# KiCad board lars2.kicad_pcb
title: LARS V2; date: 2024-05-14; rev: 2; note: https://git.xythobuz.de/thomas/drumkit; note: Licensed under the CERN-OHL-S-2.0+; note: Copyright (c) 2024 Thomas Buck, Kauzerei
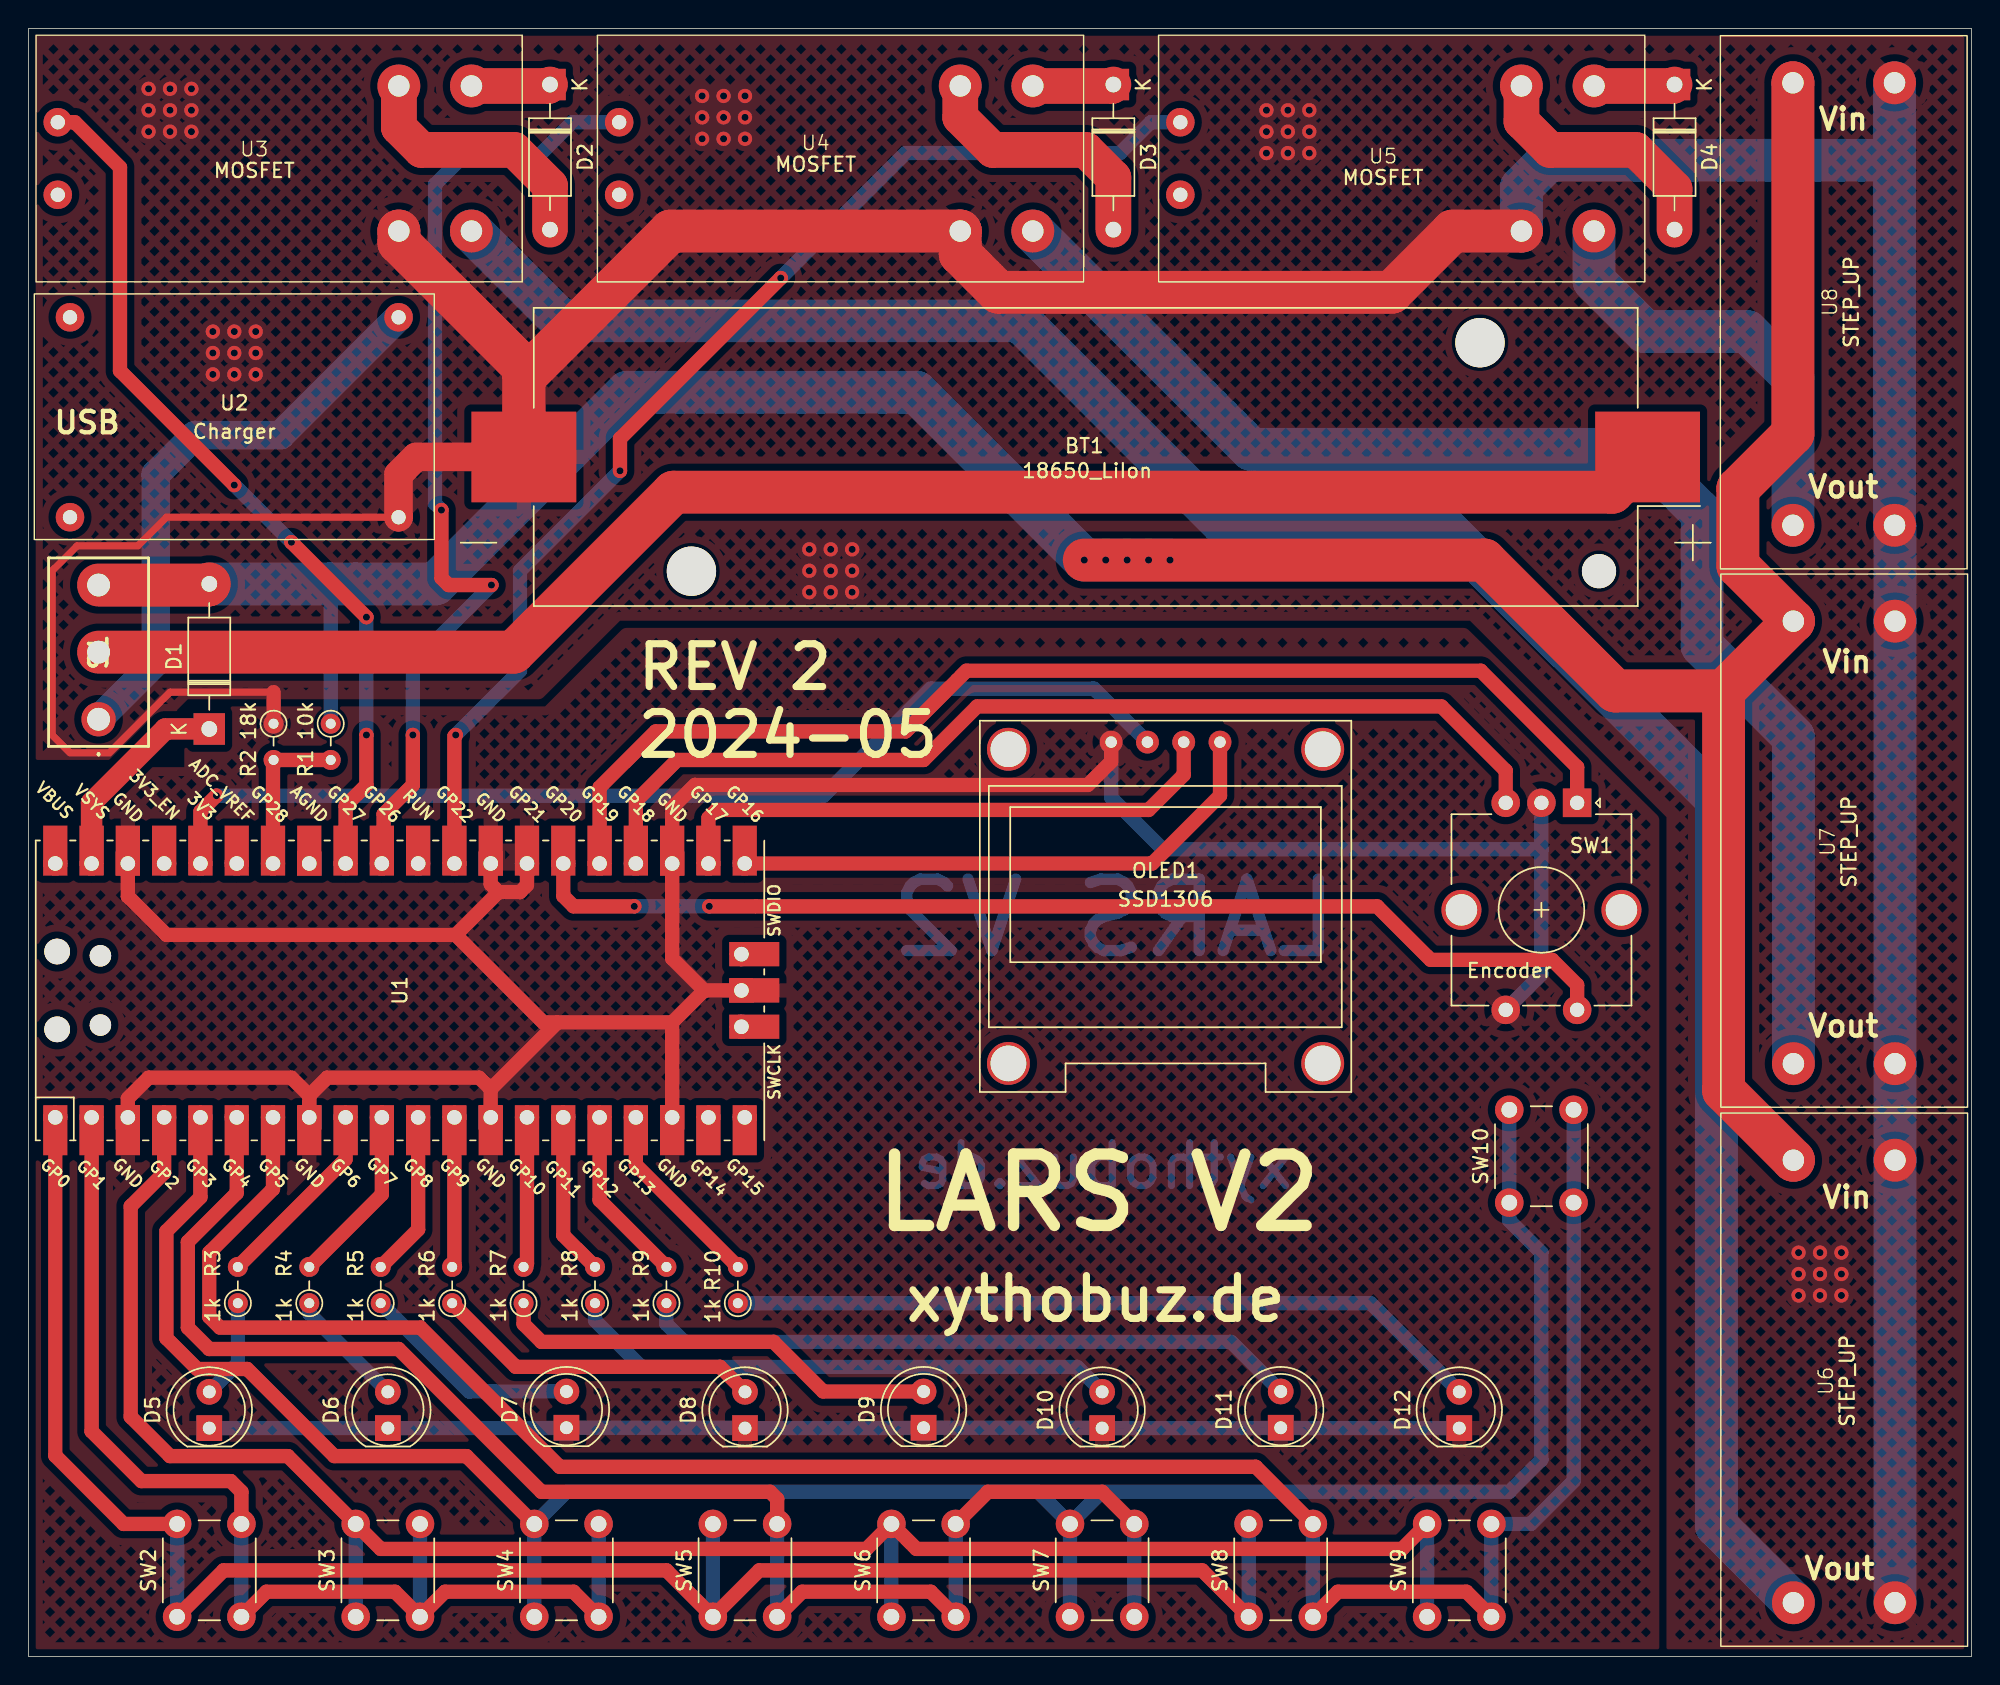
[diagram p0: board, top side]
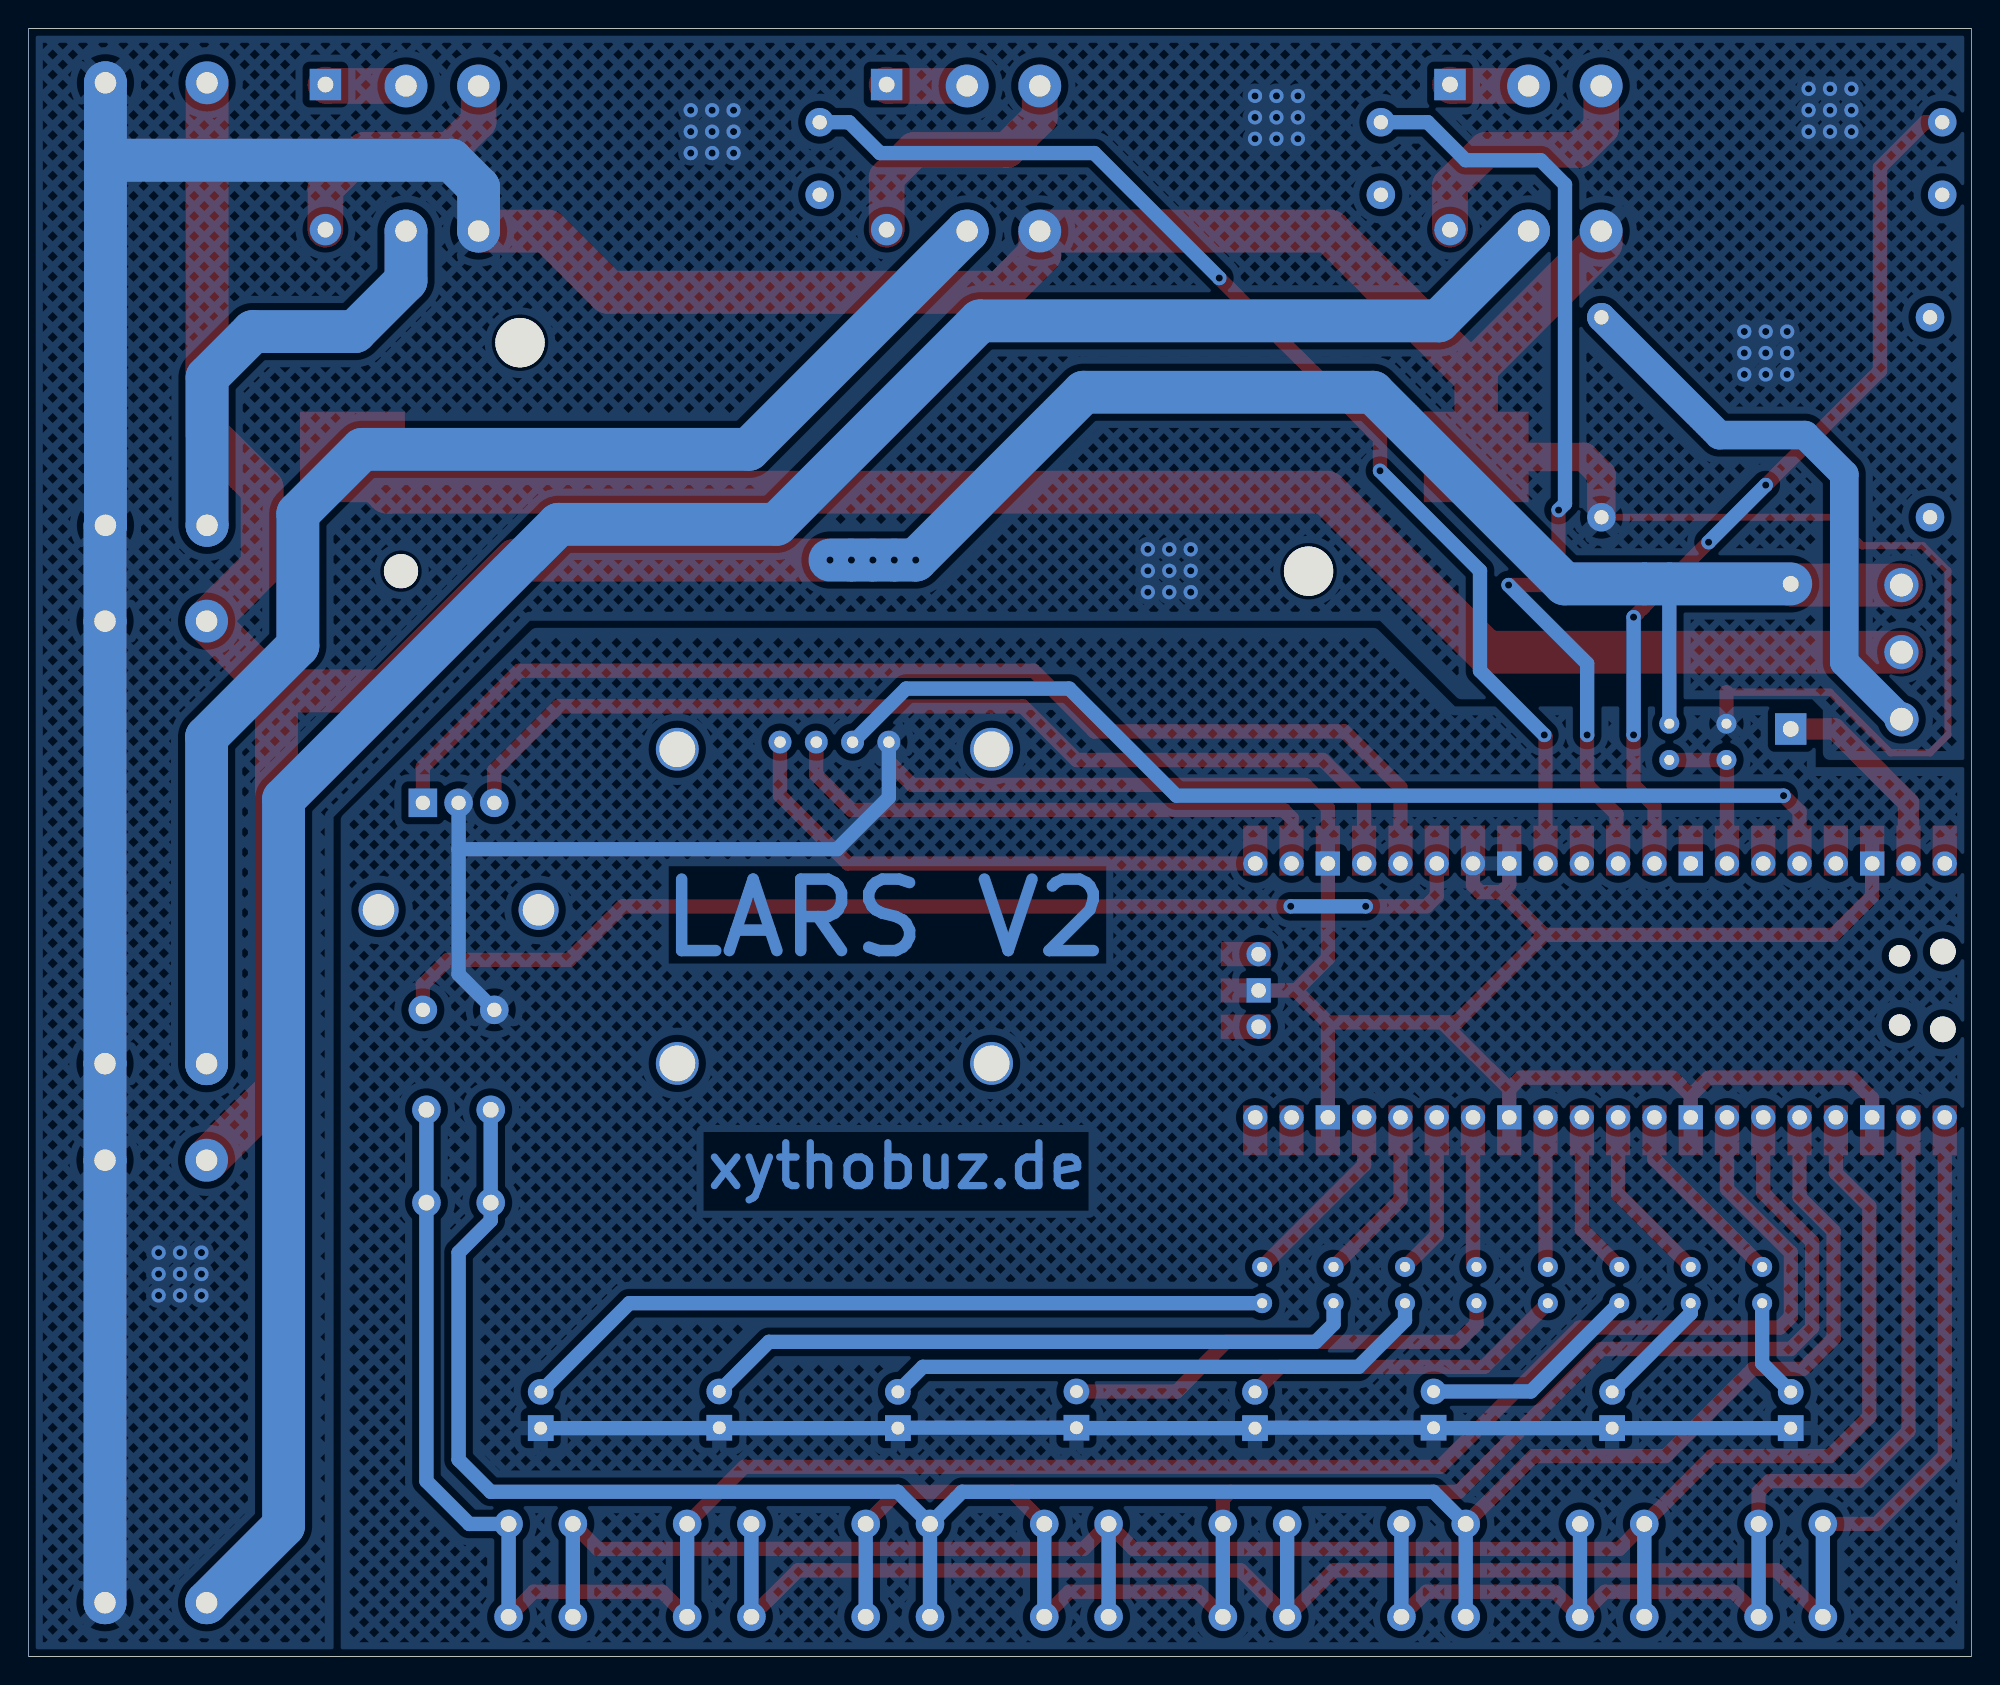
[diagram p1: board, bottom side, seen from below]

Outline 136 x 114 mm; copper layers: Top, Bottom. Coordinates in mm from the lower left corner of the outline.
Outline path: rectangle 0,114 136,0

## Placement (name value [footprint] x y rotation side)
BT1  18650_LiIon  [BatteryHolder_Keystone_1042_1x18650]  74 84 180 top
D1  1N5819  [D_DO-41_SOD81_P10.16mm_Horizontal]  12.65 64.95 90 top
D2  1N5819  [D_DO-41_SOD81_P10.16mm_Horizontal]  36.5 110.08 270 top
D3  1N5819  [D_DO-41_SOD81_P10.16mm_Horizontal]  75.94 110.08 270 top
D4  1N5819  [D_DO-41_SOD81_P10.16mm_Horizontal]  115.22 110.08 270 top
D5  LED  [LED_D5.0mm]  12.65 15.99 90 top
D6  LED  [LED_D5.0mm]  25.15 15.99 90 top
D7  LED  [LED_D5.0mm]  37.65 16.02 90 top
D8  LED  [LED_D5.0mm]  50.15 15.99 90 top
D9  LED  [LED_D5.0mm]  62.65 16.02 90 top
D10  LED  [LED_D5.0mm]  75.15 15.99 90 top
D11  LED  [LED_D5.0mm]  87.65 16.02 90 top
D12  LED  [LED_D5.0mm]  100.15 15.99 90 top
OLED1  SSD1306  [SSD1306_0.96_Oled]  66.59 39.53 0 top
R1  10k  [R_Axial_DIN0204_L3.6mm_D1.6mm_P2.54mm_Vertical]  21.15 65.32 270 top
R2  18k  [R_Axial_DIN0204_L3.6mm_D1.6mm_P2.54mm_Vertical]  17.15 65.32 270 top
R3  1k  [R_Axial_DIN0204_L3.6mm_D1.6mm_P2.54mm_Vertical]  14.65 24.74 90 top
R4  1k  [R_Axial_DIN0204_L3.6mm_D1.6mm_P2.54mm_Vertical]  19.65 24.74 90 top
R5  1k  [R_Axial_DIN0204_L3.6mm_D1.6mm_P2.54mm_Vertical]  24.65 24.74 90 top
R6  1k  [R_Axial_DIN0204_L3.6mm_D1.6mm_P2.54mm_Vertical]  29.65 24.74 90 top
R7  1k  [R_Axial_DIN0204_L3.6mm_D1.6mm_P2.54mm_Vertical]  34.65 24.74 90 top
R8  1k  [R_Axial_DIN0204_L3.6mm_D1.6mm_P2.54mm_Vertical]  39.65 24.74 90 top
R9  1k  [R_Axial_DIN0204_L3.6mm_D1.6mm_P2.54mm_Vertical]  44.65 24.74 90 top
R10  1k  [R_Axial_DIN0204_L3.6mm_D1.6mm_P2.54mm_Vertical]  49.65 24.74 90 top
S1  -  [5236AB]  4.9 65.63 90 top
SW1  Encoder  [RotaryEncoder_Alps_EC12E-Switch_Vertical_H20mm_CircularMountingHoles]  108.4 59.78 270 top
SW2  SW_Push  [SW_PUSH_6mm_H5mm]  10.4 2.78 90 top
SW3  SW_Push  [SW_PUSH_6mm_H5mm]  22.9 2.78 90 top
SW4  SW_Push  [SW_PUSH_6mm_H5mm]  35.4 2.78 90 top
SW5  SW_Push  [SW_PUSH_6mm_H5mm]  47.9 2.78 90 top
SW6  SW_Push  [SW_PUSH_6mm_H5mm]  60.4 2.78 90 top
SW7  SW_Push  [SW_PUSH_6mm_H5mm]  72.9 2.78 90 top
SW8  SW_Push  [SW_PUSH_6mm_H5mm]  85.4 2.78 90 top
SW9  SW_Push  [SW_PUSH_6mm_H5mm]  97.9 2.78 90 top
SW10  SW_Push  [SW_PUSH_6mm_H5mm]  103.65 31.78 90 top
U1  Pico  [RPi_Pico_SMD_TH]  26 46.64 90 top
U2  Charger  [charger]  14.4 86.78 0 top
U3  MOSFET  [xy-mos]  34.56 113.54 180 top
U4  MOSFET  [xy-mos]  73.85 113.54 180 top
U5  MOSFET  [xy-mos]  113.14 113.54 180 top
U6  STEP_UP  [dc-dc module]  125.57 22.05 270 top
U7  STEP_UP  [dc-dc module]  125.57 59.8 270 top
U8  STEP_UP  [dc-dc module]  125.54 97.5 270 top

## Library data of the parts
BT1 = -: Description: Single-cell battery
D1-D4 = -: Datasheet: http://www.vishay.com/docs/88525/1n5817.pdf; Description: 40V 1A Schottky Barrier Rectifier Diode, DO-41; ki_fp_filters: D*DO?41*
D5-D12 = -: Description: Light emitting diode; ki_fp_filters: LED* LED_SMD:* LED_THT:*
OLED1 = -: Description: OLED 0.96 128x64 I2C; ki_fp_filters: extern:SSD1306*
R1-R10 = -: Description: Resistor; ki_fp_filters: R_*
S1 = -: Datasheet: https://datasheet.datasheetarchive.com/originals/dk/DKDS-29/572872.pdf; Description: SWITCH TOGGLE SPDT 6A 125V; Height: 31.8; Manufacturer_Name: Apem
SW1 = -: Description: Rotary encoder, dual channel, incremental quadrate outputs, with switch; ki_fp_filters: RotaryEncoder*Switch*
SW2-SW10 = -: Description: Push button switch, generic, two pins

## Footprints (pads in the part's own frame, mm; a bottom-side part is the same pattern mirrored in y, then rotated)
5236AB
  round 2.4 hole 1.6: 1(0,0) 2(4.7,0) 3(9.4,0)
BatteryHolder_Keystone_1042_1x18650
  round 2.39 hole 2.39 unplated: (-35.93,8)
  round 3.45 hole 3.45 unplated: (-27.6,-8) (27.6,8)
  rect 7.34x6.35 smd: 1(-39.33,0) 2(39.33,0)
charger
  round 2 hole 1: 1(-11.5,7) 2(-11.5,-7) 3(11.5,7) 4(11.5,-7)
D_DO-41_SOD81_P10.16mm_Horizontal
  rect 2.2x2.2 hole 1.1: 1(0,0)
  oval 2.2x2.2 hole 1.1: 2(10.16,0)
dc-dc module
  round 3 hole 1.5: 1(-12.7,5.08) 2(-12.7,-2.032) 3(18.288,5.08) 4(18.288,-2.032)
LED_D5.0mm
  rect 1.8x1.8 hole 0.9: 1(0,0)
  round 1.8 hole 0.9: 2(2.54,0)
R_Axial_DIN0204_L3.6mm_D1.6mm_P2.54mm_Vertical
  round 1.4 hole 0.7: 1(0,0)
  oval 1.4x1.4 hole 0.7: 2(2.54,0)
RotaryEncoder_Alps_EC12E-Switch_Vertical_H20mm_CircularMountingHoles
  rect 2x2 hole 1: A(0,0)
  round 2 hole 1: B(0,-5) C(0,-2.5) S1(14.5,0) S2(14.5,-5)
  round 2.8 hole 2.2: MP(7.5,3.1) MP(7.5,-8.1)
RPi_Pico_SMD_TH
  oval 1.8x1.8 hole 1.8 unplated: (-2.725,24) (2.725,24)
  oval 1.5x1.5 hole 1.5 unplated: (-2.425,20.97) (2.425,20.97)
  oval 1.7x1.7 hole 1.02: 1(-8.89,24.13) 2(-8.89,21.59) 4(-8.89,16.51) 5(-8.89,13.97) 6(-8.89,11.43) 7(-8.89,8.89) 9(-8.89,3.81) 10(-8.89,1.27) 11(-8.89,-1.27) 12(-8.89,-3.81) 14(-8.89,-8.89) 15(-8.89,-11.43) 16(-8.89,-13.97) 17(-8.89,-16.51) 19(-8.89,-21.59) 20(-8.89,-24.13) 21(8.89,-24.13) 22(8.89,-21.59) 24(8.89,-16.51) 25(8.89,-13.97) 26(8.89,-11.43) 27(8.89,-8.89) 29(8.89,-3.81) 30(8.89,-1.27) 31(8.89,1.27) 32(8.89,3.81) 34(8.89,8.89) 35(8.89,11.43) 36(8.89,13.97) 37(8.89,16.51) 39(8.89,21.59) 40(8.89,24.13) 41(-2.54,-23.9) 43(2.54,-23.9)
  rect 3.5x1.7 smd: 1(-8.89,24.13) 2(-8.89,21.59) 3(-8.89,19.05) 4(-8.89,16.51) 5(-8.89,13.97) 6(-8.89,11.43) 7(-8.89,8.89) 8(-8.89,6.35) 9(-8.89,3.81) 10(-8.89,1.27) 11(-8.89,-1.27) 12(-8.89,-3.81) 13(-8.89,-6.35) 14(-8.89,-8.89) 15(-8.89,-11.43) 16(-8.89,-13.97) 17(-8.89,-16.51) 18(-8.89,-19.05) 19(-8.89,-21.59) 20(-8.89,-24.13) 21(8.89,-24.13) 22(8.89,-21.59) 23(8.89,-19.05) 24(8.89,-16.51) 25(8.89,-13.97) 26(8.89,-11.43) 27(8.89,-8.89) 28(8.89,-6.35) 29(8.89,-3.81) 30(8.89,-1.27) 31(8.89,1.27) 32(8.89,3.81) 33(8.89,6.35) 34(8.89,8.89) 35(8.89,11.43) 36(8.89,13.97) 37(8.89,16.51) 38(8.89,19.05) 39(8.89,21.59) 40(8.89,24.13)
  rect 1.7x1.7 hole 1.02: 3(-8.89,19.05) 8(-8.89,6.35) 13(-8.89,-6.35) 18(-8.89,-19.05) 23(8.89,-19.05) 28(8.89,-6.35) 33(8.89,6.35) 38(8.89,19.05) 42(0,-23.9)
  rect 1.7x3.5 smd: 41(-2.54,-23.9) 42(0,-23.9) 43(2.54,-23.9)
SSD1306_0.96_Oled
  round 3 hole 2.5 unplated: (2,24) (2,2) (24,24) (24,2)
  round 1.6 hole 0.8: 1(9.19,24.5) 2(11.73,24.5) 3(14.27,24.5) 4(16.81,24.5)
SW_PUSH_6mm_H5mm
  round 2 hole 1.1: 1(0,0) 1(6.5,0) 2(0,-4.5) 2(6.5,-4.5)
xy-mos
  round 3 hole 1.5: 1(3.556,13.716) 2(8.636,13.716) 3(3.556,3.556) 4(8.636,3.556)
  round 2 hole 1: 5(32.512,11.176) 6(32.512,6.096)

## Nets
+3.3V: OLED1.2 U1.36
+BATT: D1.2 R1.1 S1.3 U6.2 U7.2 U8.2
-BATT: BT1.2 D5.1 D6.1 D7.1 D8.1 D9.1 D10.1 D11.1 D12.1 OLED1.1 R2.1 SW1.C SW1.S2 U1.3 U1.8 U1.13 U1.18 U1.23 U1.27 U1.28 U1.38 U1.42 U2.4 U3.2 U4.2 U5.2 U6.1 U6.3 U7.1 U7.3 U8.1 U8.3
Net-(BT1-+): BT1.1 S1.2
Net-(D1-K): D1.1 U1.39
Net-(D2-A): D2.2 U3.4
Net-(D2-K): D2.1 U3.3
Net-(D3-A): D3.2 U4.4
Net-(D3-K): D3.1 U4.3
Net-(D4-A): D4.2 U5.4
Net-(D4-K): D4.1 U5.3
Net-(D5-A): D5.2 R3.1
Net-(D6-A): D6.2 R4.1
Net-(D7-A): D7.2 R5.1
Net-(D8-A): D8.2 R6.1
Net-(D9-A): D9.2 R7.1
Net-(D10-A): D10.2 R8.1
Net-(D11-A): D11.2 R9.1
Net-(D12-A): D12.2 R10.1
Net-(OLED1-SCL): OLED1.3 U1.22
Net-(OLED1-SDA): OLED1.4 U1.21
Net-(S1-NO): S1.1 U2.3
Net-(U1-GPIO0): SW2.1 SW5.1 SW8.1 U1.1
Net-(U1-GPIO1): SW2.2 SW3.2 SW4.2 U1.2
Net-(U1-GPIO2): SW3.1 SW6.1 SW9.1 U1.4
Net-(U1-GPIO3): SW4.1 SW7.1 SW10.1 U1.5
Net-(U1-GPIO4): SW5.2 SW6.2 SW7.2 U1.6
Net-(U1-GPIO5): SW8.2 SW9.2 SW10.2 U1.7
Net-(U1-GPIO6): R3.2 U1.9
Net-(U1-GPIO7): R4.2 U1.10
Net-(U1-GPIO8): R5.2 U1.11
Net-(U1-GPIO9): R6.2 U1.12
Net-(U1-GPIO10): R7.2 U1.14
Net-(U1-GPIO11): R8.2 U1.15
Net-(U1-GPIO12): R9.2 U1.16
Net-(U1-GPIO13): R10.2 U1.17
Net-(U1-GPIO18): SW1.B U1.24
Net-(U1-GPIO19): SW1.A U1.25
Net-(U1-GPIO20): SW1.S1 U1.26
Net-(U1-GPIO22): U1.29 U5.6
Net-(U1-GPIO26_ADC0): U1.31 U4.6
Net-(U1-GPIO27_ADC1): U1.32 U3.6
Net-(U1-GPIO28_ADC2): R1.2 R2.2 U1.34
Net-(U3-Vin+): U3.1 U6.4
Net-(U4-Vin+): U4.1 U7.4
Net-(U5-Vin+): U5.1 U8.4

Pads without a net: SW1 MP; U1 19 20 30 33 35 37 40 41 43; U2 1 2; U3 5; U4 5; U5 5

## Via types
v1: diameter 1, hole 0.5, Top to Bottom, 72 vias

## Routing (per net, layer and track width the routed paths; a pad name or vN(x,y) marks a point on that pad's centre or on a via; arc(x,y) is an arc through that point)
+3.3V: length 75
  Top w1: U1.36 12.03,59.16 v1(13.15,60.28)
  Bottom w1: OLED1.2 74.57,67.78 63.15,67.78 55.65,60.28 v1(13.15,60.28)
+BATT: length 226.5
  Top w3: U8.2 123.51,85.64 119.65,81.78 119.65,76.39 U7.2 118.65,67.61 ; 118.65,67.61 111.07,67.61 101.9,76.78 v1(73.9,76.78) ; 118.65,67.61 118.65,39.64 U6.2 ; S1.3 12.57,75.03 D1.2
  Bottom w1: R1.1 21.15,75.11
  Bottom w3: v1(79.9,76.78) v1(78.4,76.78) v1(76.9,76.78) v1(75.4,76.78) v1(73.9,76.78) 62.15,88.53 41.9,88.53 28.48,75.11 D1.2
-BATT: length 600.9
  Top w0.5: U2.4 9.65,79.78 7.65,77.78 3.4,77.78 1.65,76.03 1.65,64.53 2.9,63.28 5.65,63.28 9.9,67.53 17.15,67.53
  Top w1: 19.65,39.28 20.9,40.53 31.55,40.53 32.35,39.73 ; 19.65,39.28 18.4,40.53 8.4,40.53 6.95,39.08 U1.3 ; 19.65,39.28 U1.8 ; 32.35,39.73 U1.13 ; 32.35,39.73 37.02,44.4 ; 29.9,50.53 36.03,44.4 37.02,44.4 ; 29.9,50.53 32.9,53.53 ; 29.9,50.53 9.65,50.53 6.95,53.23 U1.38 ; 37.02,44.4 45.05,44.4 ; 45.05,44.4 47.29,46.64 ; 45.05,44.4 U1.18 ; 47.29,46.64 U1.42 ; 47.29,46.64 45.05,48.88 U1.23 45.05,59.43 46.65,61.03 74.15,61.03 75.78,62.66 OLED1.1 ; U1.27 34.89,54.02 34.4,53.53 32.9,53.53 ; 32.9,53.53 32.35,54.08 U1.28 ; R2.1 17.15,67.53
  Top w2: BT1.2 27.12,84 25.9,82.78 U2.4
  Top w3: U5.2 99.69,99.82 95.4,95.53 67.9,95.53 65.22,98.21 U4.2 44.94,99.82 34.67,89.55 BT1.2 34.67,90.26 25.92,99.01 U3.2
  Bottom w1: SW1.S2 105.9,47.78 105.9,56.53 ; 105.9,56.53 79.4,56.53 75.78,60.15 OLED1.1 ; 105.9,56.53 SW1.C ; D5.1 D6.1 37.62,15.99 D7.1 50.12,16.02 D8.1 62.62,15.99 D9.1 75.12,16.02 D10.1 87.62,15.99 D11.1 87.68,15.99 D12.1
  Bottom w3: U6.3 U6.1 U7.3 U7.1 130.65,79.18 U8.3 130.62,105.03 ; 130.62,105.03 130.37,104.78 106.4,104.78 104.5,102.88 U5.2 ; 130.62,105.03 U8.1
  vias: v1(8.4,109.78) v1(8.4,108.28) v1(8.4,106.78) v1(9.9,109.78) v1(9.9,108.28) v1(9.9,106.78) v1(11.4,109.78) v1(11.4,108.28) v1(11.4,106.78) v1(12.9,92.78) v1(12.9,91.28) v1(12.9,89.78) v1(14.4,92.78) v1(14.4,91.28) v1(14.4,89.78) v1(15.9,92.78) v1(15.9,91.28) v1(15.9,89.78) v1(47.15,109.28) v1(47.15,107.78) v1(47.15,106.28) v1(48.65,109.28) v1(48.65,107.78) v1(48.65,106.28) v1(50.15,109.28) v1(50.15,107.78) v1(50.15,106.28) v1(54.65,77.53) v1(54.65,76.03) v1(54.65,74.53) v1(56.15,77.53) v1(56.15,76.03) v1(56.15,74.53) v1(57.65,77.53) v1(57.65,76.03) v1(57.65,74.53) v1(86.65,108.28) v1(86.65,106.78) v1(86.65,105.28) v1(88.15,108.28) v1(88.15,106.78) v1(88.15,105.28) v1(89.65,108.28) v1(89.65,106.78) v1(89.65,105.28) v1(123.9,28.28) v1(123.9,26.78) v1(123.9,25.28) v1(125.4,28.28) v1(125.4,26.78) v1(125.4,25.28) v1(126.9,28.28) v1(126.9,26.78) v1(126.9,25.28)
Net-(BT1-+): length 114.1
  Top w3: BT1.1 110.86,81.53 45.15,81.53 33.95,70.33 S1.2
Net-(D1-K): length 14.6
  Top w1.5: D1.1 9.57,64.95 4.41,59.79 U1.39
Net-(D2-A): length 18.2
  Top w2.5: U3.4 25.92,107.08 27.5,105.5 34,105.5 36.5,103 D2.2
Net-(D2-K): length 5.5
  Top w2.5: U3.3 36.4,109.98 D2.1
Net-(D3-A): length 18.3
  Top w2.5: D3.2 75.94,103.56 74,105.5 67.5,105.5 65.22,107.78 U4.4
Net-(D3-K): length 5.7
  Top w2.5: D3.1 75.84,109.98 U4.3
Net-(D4-A): length 18
  Top w2.5: D4.2 115.22,102.78 112.5,105.5 106.5,105.5 104.5,107.5 U5.4
Net-(D4-K): length 5.7
  Top w2.5: U5.3 115.12,109.98 D4.1
Net-(D5-A): length 7
  Bottom w1: D5.2 14.65,20.53 R3.1
Net-(D6-A): length 8.5
  Bottom w1: D6.2 19.65,24.03 R4.1
Net-(D7-A): length 15.6
  Bottom w1: R5.1 30.84,18.56 D7.2
Net-(D8-A): length 23.1
  Top w1: D8.2 48.4,20.28 34.11,20.28 R6.1
Net-(D9-A): length 31.4
  Top w1: D9.2 55.62,18.56 52.15,22.03 35.9,22.03 34.65,23.28 R7.1
Net-(D10-A): length 38.8
  Bottom w1: R8.1 39.65,23.53 42.9,20.28 73.4,20.28 D10.2
Net-(D11-A): length 46.4
  Bottom w1: R9.1 44.65,23.28 45.9,22.03 84.18,22.03 D11.2
Net-(D12-A): length 53.1
  Bottom w1: R10.1 93.94,24.74 D12.2
Net-(OLED1-SCL): length 40
  Top w1: U1.22 47.59,58.72 48.15,59.28 78.4,59.28 80.86,61.74 OLED1.3
Net-(OLED1-SDA): length 39
  Top w1: OLED1.4 83.4,60.28 78.65,55.53 U1.21
Net-(S1-NO): length 40.4
  Bottom w2: S1.1 8.9,69.63 8.9,82.78 11.65,85.53 17.65,85.53 U2.3
Net-(U1-GPIO0): length 134.1
  Top w1: SW8.1 82.15,6.03 51.15,6.03 SW5.1 44.65,6.03 13.65,6.03 SW2.1 ; SW2.1 6.65,9.28 1.87,14.06 U1.1
  Bottom w1: SW2.1 SW2.1 ; SW5.1 SW5.1 ; SW8.1 SW8.1
Net-(U1-GPIO1): length 83.9
  Top w1: SW2.2 16.65,4.53 25.65,4.53 SW3.2 29.15,4.53 38.15,4.53 SW4.2 ; U1.2 4.41,15.77 7.9,12.28 14.15,12.28 14.9,11.53 SW2.2
  Bottom w1: SW3.2 SW3.2 ; SW4.2 SW4.2 ; SW2.2 SW2.2
Net-(U1-GPIO2): length 138.2
  Top w1: U1.4 9.49,33.87 7.15,31.53 7.15,16.78 9.9,14.03 18.15,14.03 SW3.1 24.65,7.53 58.65,7.53 SW6.1 62.15,7.53 96.15,7.53 SW9.1
  Bottom w1: SW6.1 SW6.1 ; SW3.1 SW3.1 ; SW9.1 SW9.1
Net-(U1-GPIO3): length 160.3
  Top w1: U1.5 12.03,32.16 9.65,29.78 9.65,22.28 11.8,20.13 15.3,20.13 21.4,14.03 30.65,14.03 SW4.1
  Bottom w1: SW7.1 75.15,11.53 103.65,11.53 105.9,13.78 105.9,28.28 103.65,30.53 SW10.1 SW10.1 ; SW7.1 SW7.1 ; SW7.1 70.65,11.53 37.65,11.53 SW4.1 SW4.1
Net-(U1-GPIO4): length 111.9
  Top w1: SW5.2 54.15,4.53 63.15,4.53 SW6.2 ; U1.6 14.57,32.45 11.15,29.03 11.15,23.03 12.65,21.53 25.9,21.53 35.9,11.53 51.9,11.53 52.4,11.03 SW5.2 ; SW7.2 75.15,11.53 67.15,11.53 SW6.2
  Bottom w1: SW5.2 SW5.2 ; SW6.2 SW6.2 ; SW7.2 SW7.2
Net-(U1-GPIO5): length 159
  Top w1: SW8.2 91.65,4.53 100.65,4.53 SW9.2 ; U1.7 17.11,32.74 12.65,28.28 12.65,23.78 13.4,23.03 27.44,23.03 37.19,13.28 85.9,13.28 SW8.2
  Bottom w1: SW9.2 SW9.2 105.15,9.28 108.15,12.28 SW10.2 SW10.2 ; SW8.2 SW8.2
Net-(U1-GPIO6): length 13.6
  Top w1: U1.9 22.19,34.82 R3.2
Net-(U1-GPIO7): length 12.6
  Top w1: R4.2 24.73,32.36 U1.10
Net-(U1-GPIO8): length 11.6
  Top w1: U1.11 27.27,29.9 R5.2
Net-(U1-GPIO9): length 10.5
  Top w1: R6.2 29.81,27.44 U1.12
Net-(U1-GPIO10): length 10.6
  Top w1: U1.14 34.89,27.52 R7.2
Net-(U1-GPIO11): length 11.4
  Top w1: R8.2 37.43,29.5 U1.15
Net-(U1-GPIO12): length 12.4
  Top w1: R9.2 39.97,31.96 U1.16
Net-(U1-GPIO13): length 13.4
  Top w1: R10.2 42.51,34.42 U1.17
Net-(U1-GPIO18): length 72.1
  Top w1: U1.24 42.51,59.89 45.4,62.78 62.65,62.78 66.4,66.53 98.9,66.53 103.4,62.03 SW1.B
Net-(U1-GPIO19): length 82.4
  Top w1: U1.25 39.97,60.85 43.9,64.78 61.4,64.78 65.65,69.03 101.65,69.03 108.4,62.28 SW1.A
Net-(U1-GPIO20): length 77.6
  Top w1: SW1.S1 108.4,47.03 106.65,48.78 98.15,48.78 94.4,52.53 v1(47.65,52.53) ; U1.26 37.43,53.25 38.15,52.53 v1(42.4,52.53)
  Bottom w1: v1(47.65,52.53) v1(42.4,52.53)
Net-(U1-GPIO22): length 83
  Top w1: U1.29 29.81,64.44 v1(29.9,64.53) ; v1(52.65,96.53) 41.4,85.28 v1(41.4,83.03)
  Bottom w1: v1(41.4,83.03) 34.4,76.03 34.4,69.03 v1(29.9,64.53) ; U5.6 78.56,107.44 76.4,105.28 61.4,105.28 v1(52.65,96.53)
Net-(U1-GPIO26_ADC0): length 68.8
  Top w1: U1.31 24.85,55.65 24.85,58.98 26.9,61.03 v1(26.9,64.53) ; v1(32.4,75.03) 29.4,75.03 28.9,75.53 v1(28.9,80.28)
  Bottom w1: v1(26.9,64.53) 26.9,69.53 v1(32.4,75.03) ; U4.6 38.06,107.44 35.4,104.78 30.15,104.78 28.45,103.08 28.45,80.73 v1(28.9,80.28)
Net-(U1-GPIO27_ADC1): length 62.2
  Top w1: U3.6 3.24,107.44 6.4,104.28 6.4,90.03 v1(14.4,82.03) ; v1(18.4,78.03) v1(23.65,72.78) ; v1(23.65,64.53) 23.65,61.03 22.19,59.57 U1.32
  Bottom w1: v1(14.4,82.03) v1(18.4,78.03) ; v1(23.65,64.53) v1(23.65,72.78)
Net-(U1-GPIO28_ADC2): length 11.3
  Top w1: U1.34 17.11,62.74 R2.2 R1.2
Net-(U3-Vin+): length 162.1
  Bottom w3: U6.4 118.15,9.15 118.15,60.03 98.9,79.28 83.65,79.28 69.4,93.53 37.29,93.53 U3.1
Net-(U4-Vin+): length 96.2
  Bottom w3: U7.4 123.54,64.39 117.15,70.78 117.15,80.03 112.65,84.53 85.59,84.53 U4.1
Net-(U5-Vin+): length 30.6
  Bottom w3: U5.1 109.58,96.35 113.15,92.78 120.3,92.78 123.51,89.57 U8.4

## Copper pours and planes (outline as drawn; the poured copper is in the pictures)
-BATT on Top, Bottom: -0.1,62.28 10.9,62.28 10.9,66.03 11.4,66.53 36.15,66.53 41.65,72.03 100.65,72.03 114.15,58.78 114.15,0.03 -0.1,0.03
-BATT on Top, Bottom: -0.1,62.78 10.4,62.78 10.4,66.28 11.15,67.03 35.9,67.03 41.4,72.53 100.9,72.53 114.65,58.78 114.65,0.03 136.15,0.03 136.15,114.03 -0.1,114.03

## Text on the board
Bottom: xythobuz.de | LARS V2
F.Silkscreen: USB | Vout | Vin | REV 2 | 2024-05 | xythobuz.de | LARS V2
